# Altium PCB Proyecto_0 - V2.PcbDoc (part 1 of 6) (continued)
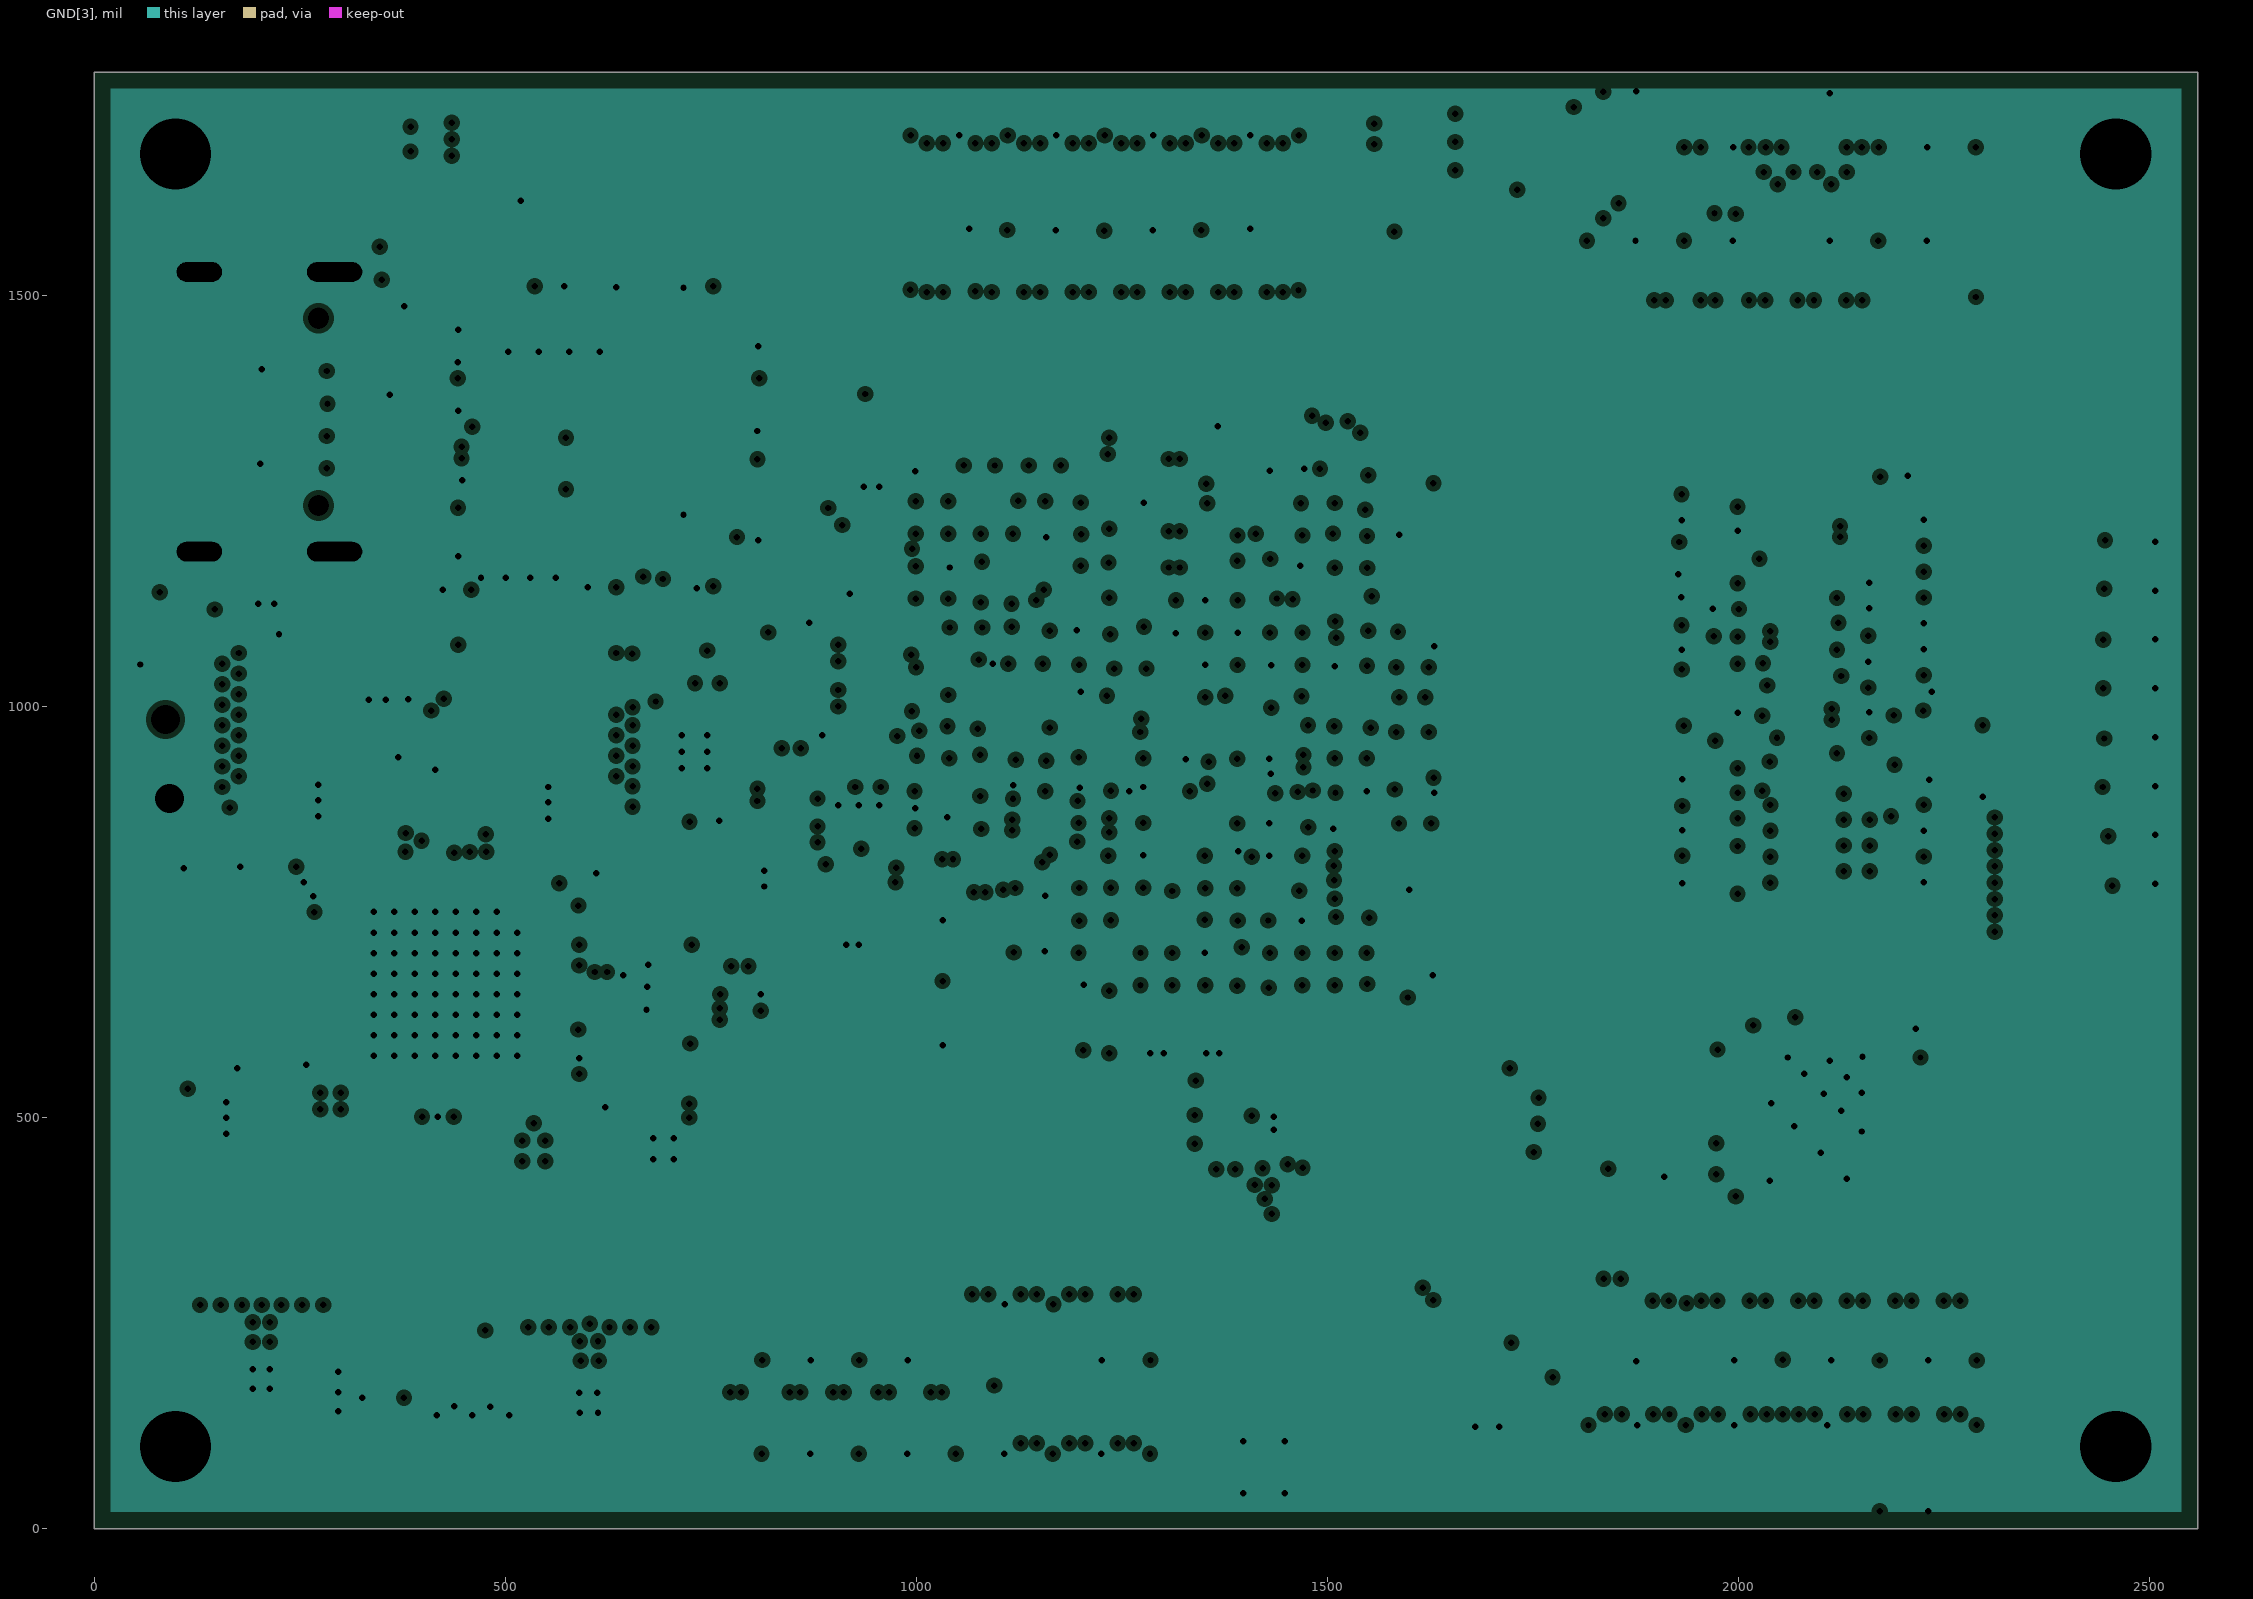
[diagram p8: GND[3], clearances drawn from the general rule]
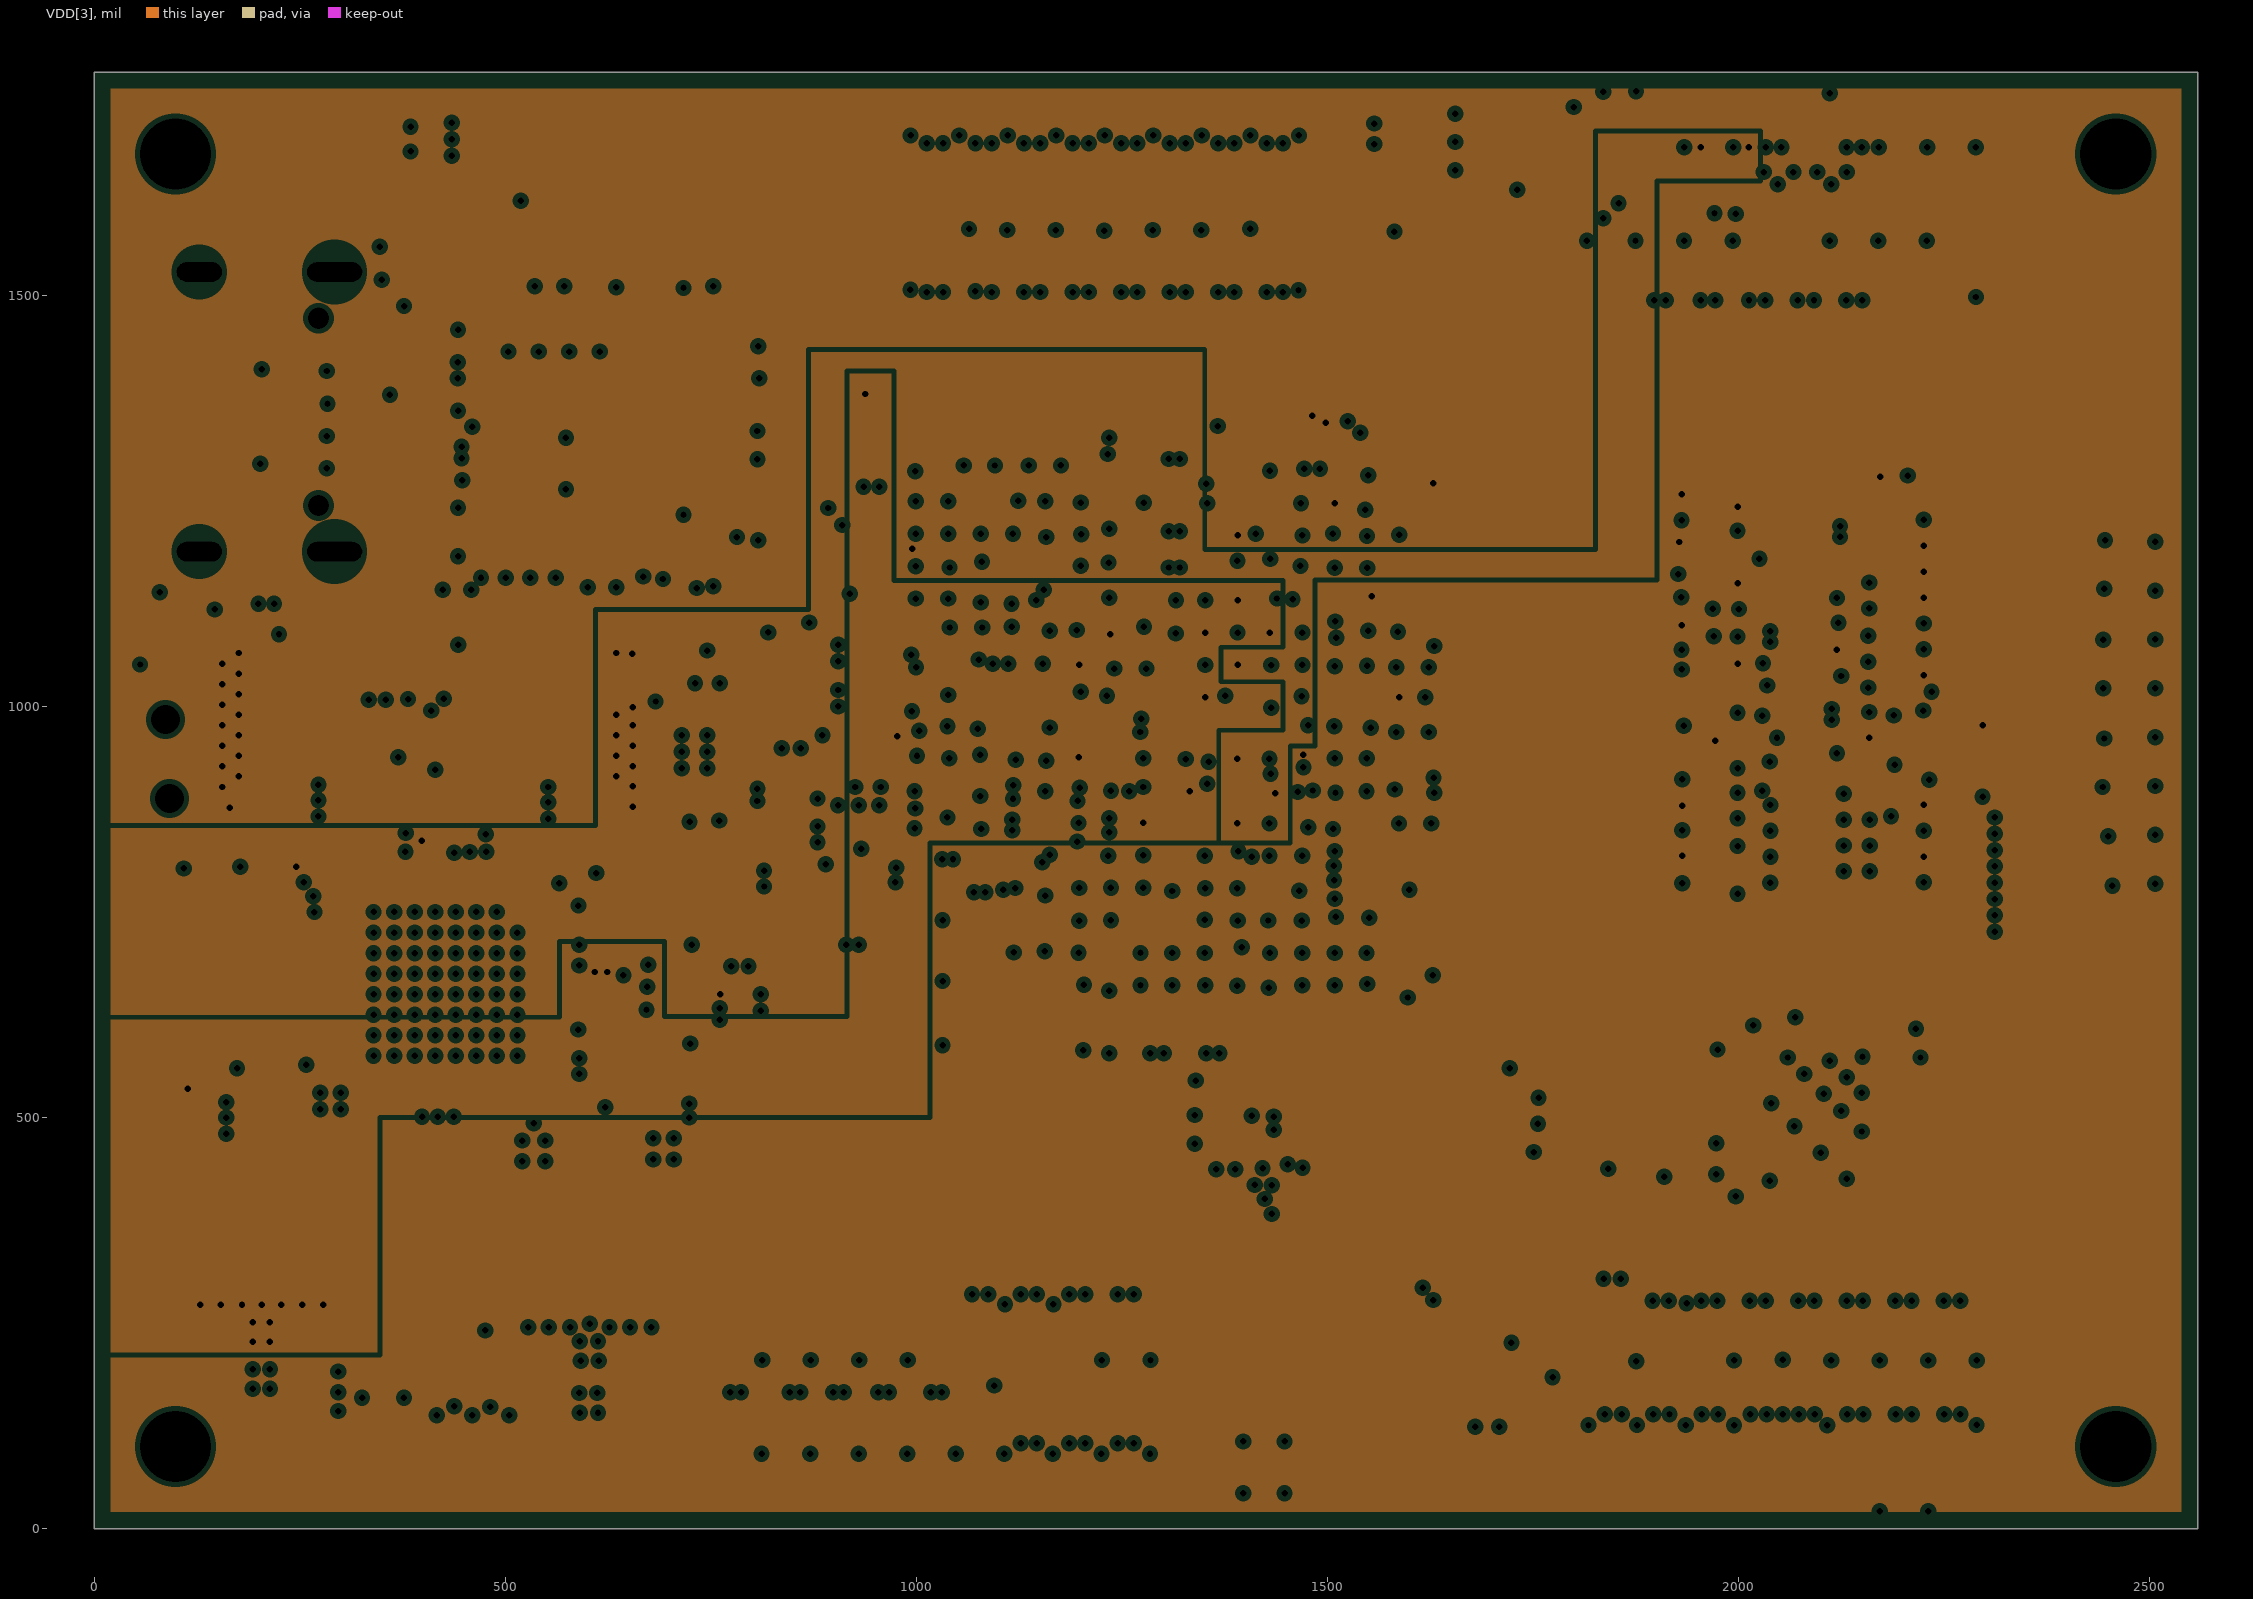
[diagram p9: VDD[3], clearances drawn from the general rule]
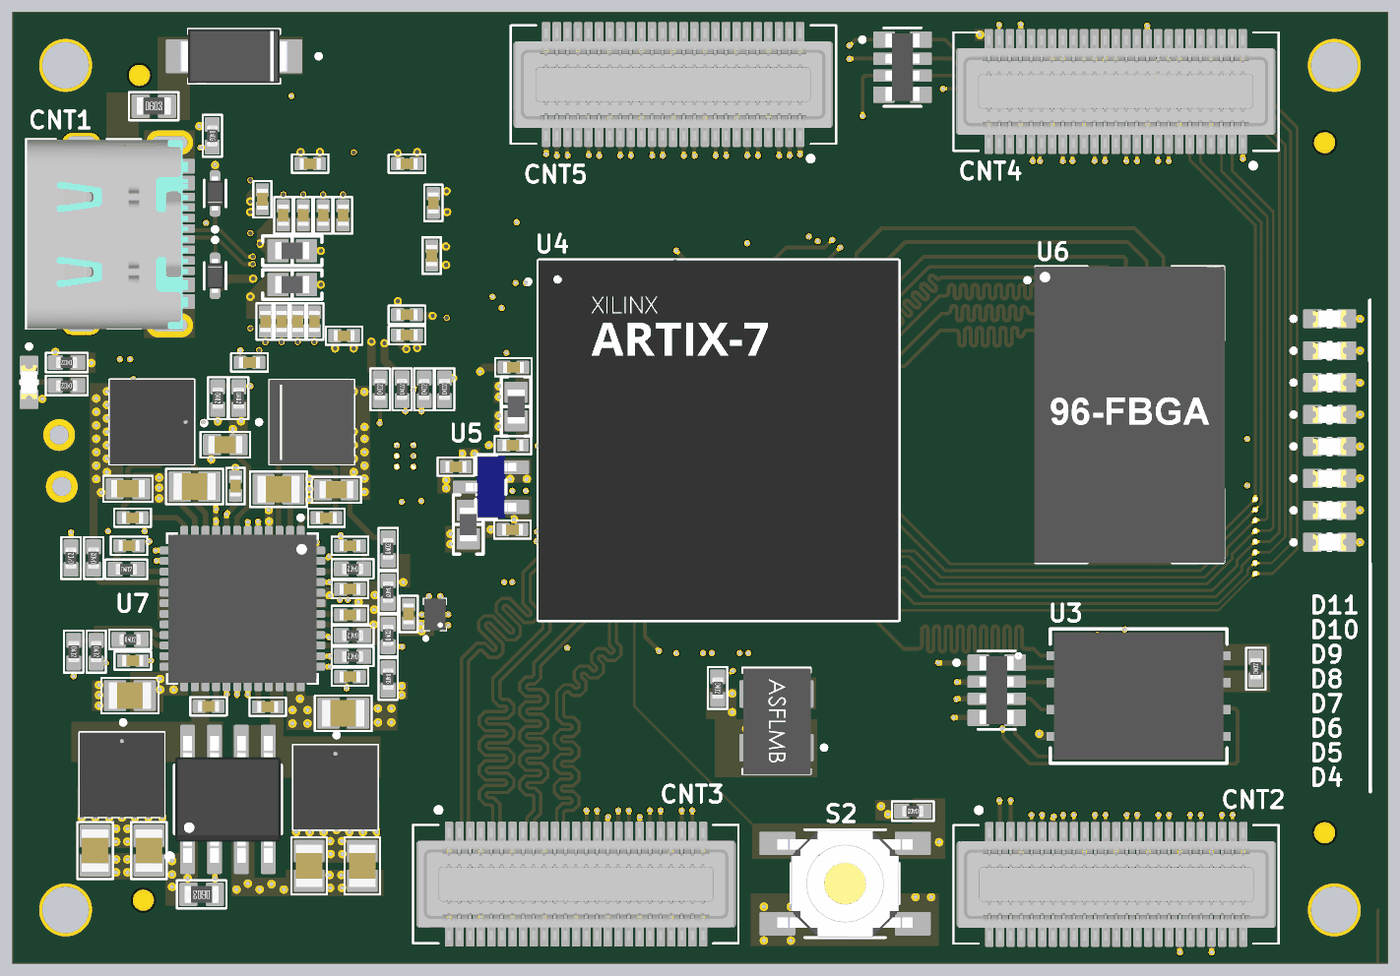
[diagram p15: 3D render of the assembled board from above, using the file's embedded part models]
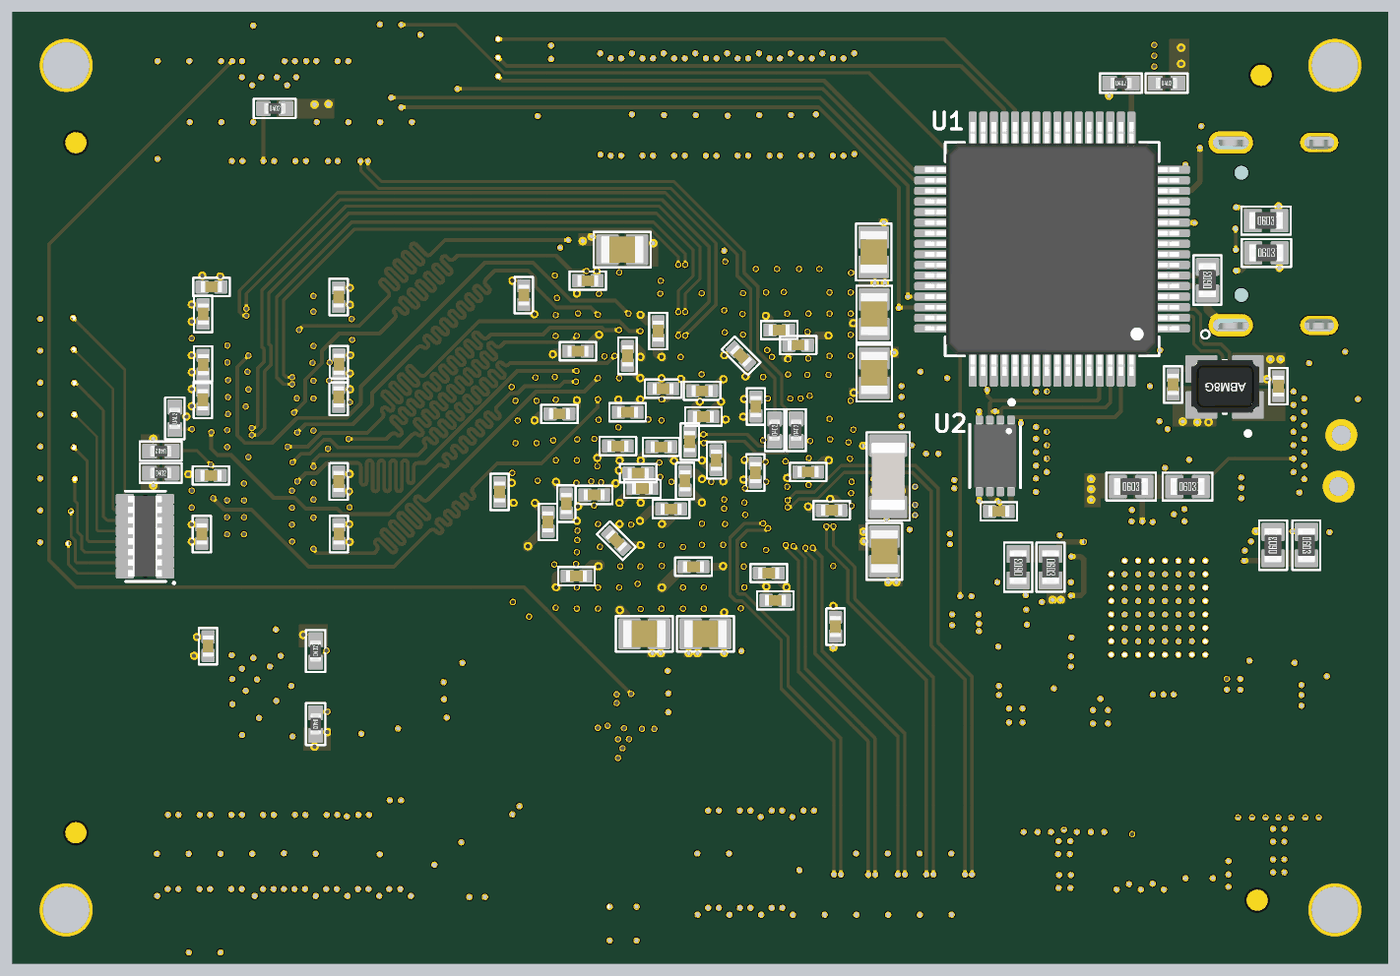
[diagram p16: 3D render of the assembled board from below, using the file's embedded part models]

## Layer stack, top to bottom
Top Solder: solder mask 0.4, Solder Resist, Dk 3.5
TOP: signal copper 0.689
Dielectric 2: prepreg 4.055, PP-015, Dk 4.45
GND[1]: plane copper 1.378, net GND
Dielectric 3: core 9.055, PP-006, Dk 4.6
VDD[1]: plane copper 1.378, net +3V3
Dielectric 4: prepreg 7.717, PP-023, Dk 4.74
Signal[1]: signal copper 1.378
Dielectric 5: core 9.055, PP-006, Dk 4.6
GND[2]: plane copper 1.378, net GND
Dielectric 1: prepreg 7.717, PP-023, Dk 4.74
VDD[2]: plane copper 1.378, net +5V
Dielectric 6: core 9.055, PP-006, Dk 4.6
Signal[2]: signal copper 1.378
Dielectric 7: prepreg 7.717, PP-023, Dk 4.74
GND[3]: plane copper 1.378, net GND
Dielectric 8: core 9.055, PP-006, Dk 4.6
VDD[3]: plane copper 1.378, net +1V35
Dielectric 9: prepreg 4.055, PP-015, Dk 4.45
BOT: signal copper 0.689
Bottom Solder: solder mask 0.4, Solder Resist, Dk 3.5

## Board outline
0,1614.17 0,1771.65 2559.06,1771.65 2559.06,0 0,0

## Design rules (kind name [scope] priority, off if disabled: settings)
Clearance Clearance_1 [All] p1: gap=2 ignorepadtopadclearanceinfootprint=TRUE
Clearance "Schematic Clearance Constraint_22" [InNet('W\E\')] p2: gap=2 ignorepadtopadclearanceinfootprint=FALSE
Clearance "Schematic Clearance Constraint_31" [InNet('R\A\S\')] p3: gap=2 ignorepadtopadclearanceinfootprint=FALSE
Clearance "Schematic Clearance Constraint_30" [InNet('LDM')] p4: gap=2 ignorepadtopadclearanceinfootprint=TRUE
Clearance "Schematic Clearance Constraint_29" [InNet('C\A\S\')] p5: gap=20 ignorepadtopadclearanceinfootprint=FALSE
Clearance "Schematic Clearance Constraint_13" [InNet('LDM')] p6: gap=20 ignorepadtopadclearanceinfootprint=TRUE
Clearance Clearance_FPGA_BanK14 [InNetClass('FPGA_BANK14')] p7: gap=10 ignorepadtopadclearanceinfootprint=TRUE except(5: Arc-Via Track-Via SMDPad-Via THPad-Via Via-Via Via-Fill Via-Poly Via-Region Via-Text Via-Hole)
Clearance Clearance_FPGA_BanK35 [InNetClass('FPGA_BANK35')] p8: gap=5 ignorepadtopadclearanceinfootprint=TRUE
Clearance "Schematic Clearance Constraint_21" [InNet('BA0')] p9: gap=2 ignorepadtopadclearanceinfootprint=FALSE
Clearance "Schematic Clearance Constraint_20" [InNet('ADD10')] p10: gap=2 ignorepadtopadclearanceinfootprint=FALSE
Clearance "Schematic Clearance Constraint_19" [InNet('ADD11')] p11: gap=2 ignorepadtopadclearanceinfootprint=FALSE
Clearance "Schematic Clearance Constraint_18" [InNet('BA2')] p12: gap=2 ignorepadtopadclearanceinfootprint=FALSE
Clearance "Schematic Clearance Constraint_17" [InNet('ADD14')] p13: gap=2 ignorepadtopadclearanceinfootprint=FALSE
Clearance "Schematic Clearance Constraint_16" [InNet('ADD4')] p14: gap=2 ignorepadtopadclearanceinfootprint=FALSE
Clearance "Schematic Clearance Constraint_15" [InNet('ADD5')] p15: gap=2 ignorepadtopadclearanceinfootprint=FALSE
Clearance "Schematic Clearance Constraint_14" [InNet('ADD6')] p16: gap=2 ignorepadtopadclearanceinfootprint=FALSE
Clearance "Schematic Clearance Constraint_12" [InNet('ADD7')] p17: gap=2 ignorepadtopadclearanceinfootprint=FALSE
Clearance "Schematic Clearance Constraint_11" [InNet('ADD0')] p18: gap=2 ignorepadtopadclearanceinfootprint=FALSE
Clearance "Schematic Clearance Constraint_10" [InNet('ADD1')] p19: gap=2 ignorepadtopadclearanceinfootprint=FALSE
Clearance "Schematic Clearance Constraint_9" [InNet('ADD2')] p20: gap=2 ignorepadtopadclearanceinfootprint=FALSE
Clearance "Schematic Clearance Constraint_8" [InNet('ADD3')] p21: gap=2 ignorepadtopadclearanceinfootprint=FALSE
Clearance "Schematic Clearance Constraint_7" [InNet('ADD8')] p22: gap=2 ignorepadtopadclearanceinfootprint=FALSE
Clearance "Schematic Clearance Constraint_6" [InNet('ADD9')] p23: gap=2 ignorepadtopadclearanceinfootprint=FALSE
Clearance "Schematic Clearance Constraint_5" [InNet('ADD12')] p24: gap=2 ignorepadtopadclearanceinfootprint=FALSE
Clearance "Schematic Clearance Constraint_3" [InNet('BA1')] p25: gap=2 ignorepadtopadclearanceinfootprint=FALSE
Clearance "Schematic Clearance Constraint_2" [InNet('ADD13')] p26: gap=2 ignorepadtopadclearanceinfootprint=FALSE
Clearance "Schematic Clearance Constraint_1" [InNetClass('DDR_DATA(8-15)')] p27: gap=2 ignorepadtopadclearanceinfootprint=TRUE
Clearance "Schematic Clearance Constraint" [InNetClass('DDR_DATA(0-7)')] p28: gap=2 ignorepadtopadclearanceinfootprint=TRUE
Clearance "Schematic Clearance Constraint_28" [InNet('D\D\R\_\R\E\S\E\T\')] p29: gap=20 ignorepadtopadclearanceinfootprint=TRUE
Clearance "Schematic Clearance Constraint_27" [InNet('ODT')] p30: gap=2 ignorepadtopadclearanceinfootprint=TRUE
Clearance "Schematic Clearance Constraint_4" [InNet('C\S\')] p31: gap=20 ignorepadtopadclearanceinfootprint=TRUE
DiffPairsRouting "Schematic Differential Pairs Routing_79" [InNet('L3_N')] p1: maxlimit=10 minlimit=7 mostfreqgap=10 toplayer_maxgap=7 toplayer_prefgap=7 toplayer_minwidth=6 toplayer_maxwidth=6 toplayer_prefwidth=6 bottomlayer_maxgap=7 bottomlayer_prefgap=7 bottomlayer_minwidth=6 bottomlayer_maxwidth=6 bottomlayer_prefwidth=6 impedanceprofiledriven=TRUE impedanceprofileid={E70E592B-6717-4881-90EF-383EF7D50643} impedanceprofilevalue=100.000000 maxuncoupledlength=500
DiffPairsRouting "Schematic Differential Pairs Routing_78" [InNet('L3_P')] p2: maxlimit=10 minlimit=7 mostfreqgap=10 toplayer_maxgap=7 toplayer_prefgap=7 toplayer_minwidth=6 toplayer_maxwidth=6 toplayer_prefwidth=6 bottomlayer_maxgap=7 bottomlayer_prefgap=7 bottomlayer_minwidth=6 bottomlayer_maxwidth=6 bottomlayer_prefwidth=6 impedanceprofiledriven=TRUE impedanceprofileid={E70E592B-6717-4881-90EF-383EF7D50643} impedanceprofilevalue=100.000000 maxuncoupledlength=500
DiffPairsRouting "Schematic Differential Pairs Routing_77" [InNet('L1_N')] p3: maxlimit=10 minlimit=7 mostfreqgap=10 toplayer_maxgap=7 toplayer_prefgap=7 toplayer_minwidth=6 toplayer_maxwidth=6 toplayer_prefwidth=6 bottomlayer_maxgap=7 bottomlayer_prefgap=7 bottomlayer_minwidth=6 bottomlayer_maxwidth=6 bottomlayer_prefwidth=6 impedanceprofiledriven=TRUE impedanceprofileid={E70E592B-6717-4881-90EF-383EF7D50643} impedanceprofilevalue=100.000000 maxuncoupledlength=500
DiffPairsRouting "Schematic Differential Pairs Routing_76" [InNet('L1_P')] p4: maxlimit=10 minlimit=7 mostfreqgap=10 toplayer_maxgap=7 toplayer_prefgap=7 toplayer_minwidth=6 toplayer_maxwidth=6 toplayer_prefwidth=6 bottomlayer_maxgap=7 bottomlayer_prefgap=7 bottomlayer_minwidth=6 bottomlayer_maxwidth=6 bottomlayer_prefwidth=6 impedanceprofiledriven=TRUE impedanceprofileid={E70E592B-6717-4881-90EF-383EF7D50643} impedanceprofilevalue=100.000000 maxuncoupledlength=500
DiffPairsRouting "Schematic Differential Pairs Routing_75" [InNet('L4_N')] p5: maxlimit=10 minlimit=7 mostfreqgap=10 toplayer_maxgap=7 toplayer_prefgap=7 toplayer_minwidth=6 toplayer_maxwidth=6 toplayer_prefwidth=6 bottomlayer_maxgap=7 bottomlayer_prefgap=7 bottomlayer_minwidth=6 bottomlayer_maxwidth=6 bottomlayer_prefwidth=6 impedanceprofiledriven=TRUE impedanceprofileid={E70E592B-6717-4881-90EF-383EF7D50643} impedanceprofilevalue=100.000000 maxuncoupledlength=500
DiffPairsRouting "Schematic Differential Pairs Routing_74" [InNet('L4_P')] p6: maxlimit=10 minlimit=7 mostfreqgap=10 toplayer_maxgap=7 toplayer_prefgap=7 toplayer_minwidth=6 toplayer_maxwidth=6 toplayer_prefwidth=6 bottomlayer_maxgap=7 bottomlayer_prefgap=7 bottomlayer_minwidth=6 bottomlayer_maxwidth=6 bottomlayer_prefwidth=6 impedanceprofiledriven=TRUE impedanceprofileid={E70E592B-6717-4881-90EF-383EF7D50643} impedanceprofilevalue=100.000000 maxuncoupledlength=500
DiffPairsRouting "Schematic Differential Pairs Routing_73" [InNet('L7_N')] p7: maxlimit=10 minlimit=7 mostfreqgap=10 toplayer_maxgap=7 toplayer_prefgap=7 toplayer_minwidth=6 toplayer_maxwidth=6 toplayer_prefwidth=6 bottomlayer_maxgap=7 bottomlayer_prefgap=7 bottomlayer_minwidth=6 bottomlayer_maxwidth=6 bottomlayer_prefwidth=6 impedanceprofiledriven=TRUE impedanceprofileid={E70E592B-6717-4881-90EF-383EF7D50643} impedanceprofilevalue=100.000000 maxuncoupledlength=500
DiffPairsRouting "Schematic Differential Pairs Routing_72" [InNet('L7_P')] p8: maxlimit=10 minlimit=7 mostfreqgap=10 toplayer_maxgap=7 toplayer_prefgap=7 toplayer_minwidth=6 toplayer_maxwidth=6 toplayer_prefwidth=6 bottomlayer_maxgap=7 bottomlayer_prefgap=7 bottomlayer_minwidth=6 bottomlayer_maxwidth=6 bottomlayer_prefwidth=6 impedanceprofiledriven=TRUE impedanceprofileid={E70E592B-6717-4881-90EF-383EF7D50643} impedanceprofilevalue=100.000000 maxuncoupledlength=500
DiffPairsRouting "Schematic Differential Pairs Routing_71" [InNet('L2_N')] p9: maxlimit=10 minlimit=7 mostfreqgap=10 toplayer_maxgap=7 toplayer_prefgap=7 toplayer_minwidth=6 toplayer_maxwidth=6 toplayer_prefwidth=6 bottomlayer_maxgap=7 bottomlayer_prefgap=7 bottomlayer_minwidth=6 bottomlayer_maxwidth=6 bottomlayer_prefwidth=6 impedanceprofiledriven=TRUE impedanceprofileid={E70E592B-6717-4881-90EF-383EF7D50643} impedanceprofilevalue=100.000000 maxuncoupledlength=500
DiffPairsRouting "Schematic Differential Pairs Routing_70" [InNet('L2_P')] p10: maxlimit=10 minlimit=7 mostfreqgap=10 toplayer_maxgap=7 toplayer_prefgap=7 toplayer_minwidth=6 toplayer_maxwidth=6 toplayer_prefwidth=6 bottomlayer_maxgap=7 bottomlayer_prefgap=7 bottomlayer_minwidth=6 bottomlayer_maxwidth=6 bottomlayer_prefwidth=6 impedanceprofiledriven=TRUE impedanceprofileid={E70E592B-6717-4881-90EF-383EF7D50643} impedanceprofilevalue=100.000000 maxuncoupledlength=500
DiffPairsRouting "Schematic Differential Pairs Routing_69" [InNet('L5_N')] p11: maxlimit=10 minlimit=7 mostfreqgap=10 toplayer_maxgap=7 toplayer_prefgap=7 toplayer_minwidth=6 toplayer_maxwidth=6 toplayer_prefwidth=6 bottomlayer_maxgap=7 bottomlayer_prefgap=7 bottomlayer_minwidth=6 bottomlayer_maxwidth=6 bottomlayer_prefwidth=6 impedanceprofiledriven=TRUE impedanceprofileid={E70E592B-6717-4881-90EF-383EF7D50643} impedanceprofilevalue=100.000000 maxuncoupledlength=500
DiffPairsRouting "Schematic Differential Pairs Routing_68" [InNet('L5_P')] p12: maxlimit=10 minlimit=7 mostfreqgap=10 toplayer_maxgap=7 toplayer_prefgap=7 toplayer_minwidth=6 toplayer_maxwidth=6 toplayer_prefwidth=6 bottomlayer_maxgap=7 bottomlayer_prefgap=7 bottomlayer_minwidth=6 bottomlayer_maxwidth=6 bottomlayer_prefwidth=6 impedanceprofiledriven=TRUE impedanceprofileid={E70E592B-6717-4881-90EF-383EF7D50643} impedanceprofilevalue=100.000000 maxuncoupledlength=500
DiffPairsRouting "Schematic Differential Pairs Routing_67" [InNet('L8_N')] p13: maxlimit=10 minlimit=7 mostfreqgap=10 toplayer_maxgap=7 toplayer_prefgap=7 toplayer_minwidth=6 toplayer_maxwidth=6 toplayer_prefwidth=6 bottomlayer_maxgap=7 bottomlayer_prefgap=7 bottomlayer_minwidth=6 bottomlayer_maxwidth=6 bottomlayer_prefwidth=6 impedanceprofiledriven=TRUE impedanceprofileid={E70E592B-6717-4881-90EF-383EF7D50643} impedanceprofilevalue=100.000000 maxuncoupledlength=500
DiffPairsRouting "Schematic Differential Pairs Routing_66" [InNet('L8_P')] p14: maxlimit=10 minlimit=7 mostfreqgap=10 toplayer_maxgap=7 toplayer_prefgap=7 toplayer_minwidth=6 toplayer_maxwidth=6 toplayer_prefwidth=6 bottomlayer_maxgap=7 bottomlayer_prefgap=7 bottomlayer_minwidth=6 bottomlayer_maxwidth=6 bottomlayer_prefwidth=6 impedanceprofiledriven=TRUE impedanceprofileid={E70E592B-6717-4881-90EF-383EF7D50643} impedanceprofilevalue=100.000000 maxuncoupledlength=500
DiffPairsRouting "Schematic Differential Pairs Routing_65" [InNet('L6_N')] p15: maxlimit=10 minlimit=7 mostfreqgap=10 toplayer_maxgap=7 toplayer_prefgap=7 toplayer_minwidth=6 toplayer_maxwidth=6 toplayer_prefwidth=6 bottomlayer_maxgap=7 bottomlayer_prefgap=7 bottomlayer_minwidth=6 bottomlayer_maxwidth=6 bottomlayer_prefwidth=6 impedanceprofiledriven=TRUE impedanceprofileid={E70E592B-6717-4881-90EF-383EF7D50643} impedanceprofilevalue=100.000000 maxuncoupledlength=500
DiffPairsRouting "Schematic Differential Pairs Routing_64" [InNet('L6_P')] p16: maxlimit=10 minlimit=7 mostfreqgap=10 toplayer_maxgap=7 toplayer_prefgap=7 toplayer_minwidth=6 toplayer_maxwidth=6 toplayer_prefwidth=6 bottomlayer_maxgap=7 bottomlayer_prefgap=7 bottomlayer_minwidth=6 bottomlayer_maxwidth=6 bottomlayer_prefwidth=6 impedanceprofiledriven=TRUE impedanceprofileid={E70E592B-6717-4881-90EF-383EF7D50643} impedanceprofilevalue=100.000000 maxuncoupledlength=500
DiffPairsRouting "Schematic Differential Pairs Routing_63" [InNet('L9_N')] p17: maxlimit=10 minlimit=7 mostfreqgap=10 toplayer_maxgap=7 toplayer_prefgap=7 toplayer_minwidth=6 toplayer_maxwidth=6 toplayer_prefwidth=6 bottomlayer_maxgap=7 bottomlayer_prefgap=7 bottomlayer_minwidth=6 bottomlayer_maxwidth=6 bottomlayer_prefwidth=6 impedanceprofiledriven=TRUE impedanceprofileid={E70E592B-6717-4881-90EF-383EF7D50643} impedanceprofilevalue=100.000000 maxuncoupledlength=500
DiffPairsRouting "Schematic Differential Pairs Routing_56" [InNet('L9_P')] p18: maxlimit=10 minlimit=7 mostfreqgap=10 toplayer_maxgap=7 toplayer_prefgap=7 toplayer_minwidth=6 toplayer_maxwidth=6 toplayer_prefwidth=6 bottomlayer_maxgap=7 bottomlayer_prefgap=7 bottomlayer_minwidth=6 bottomlayer_maxwidth=6 bottomlayer_prefwidth=6 impedanceprofiledriven=TRUE impedanceprofileid={E70E592B-6717-4881-90EF-383EF7D50643} impedanceprofilevalue=100.000000 maxuncoupledlength=500
DiffPairsRouting 12MHz_XTAL [All] p19: maxlimit=10 minlimit=7 mostfreqgap=10 toplayer_maxgap=7 toplayer_prefgap=7 toplayer_minwidth=6 toplayer_maxwidth=6 toplayer_prefwidth=6 bottomlayer_maxgap=7 bottomlayer_prefgap=7 bottomlayer_minwidth=6 bottomlayer_maxwidth=6 bottomlayer_prefwidth=6 impedanceprofiledriven=TRUE impedanceprofileid={E70E592B-6717-4881-90EF-383EF7D50643} impedanceprofilevalue=100.000000 maxuncoupledlength=500